# KiCad board Kanagawa.kicad_pcb (continued)
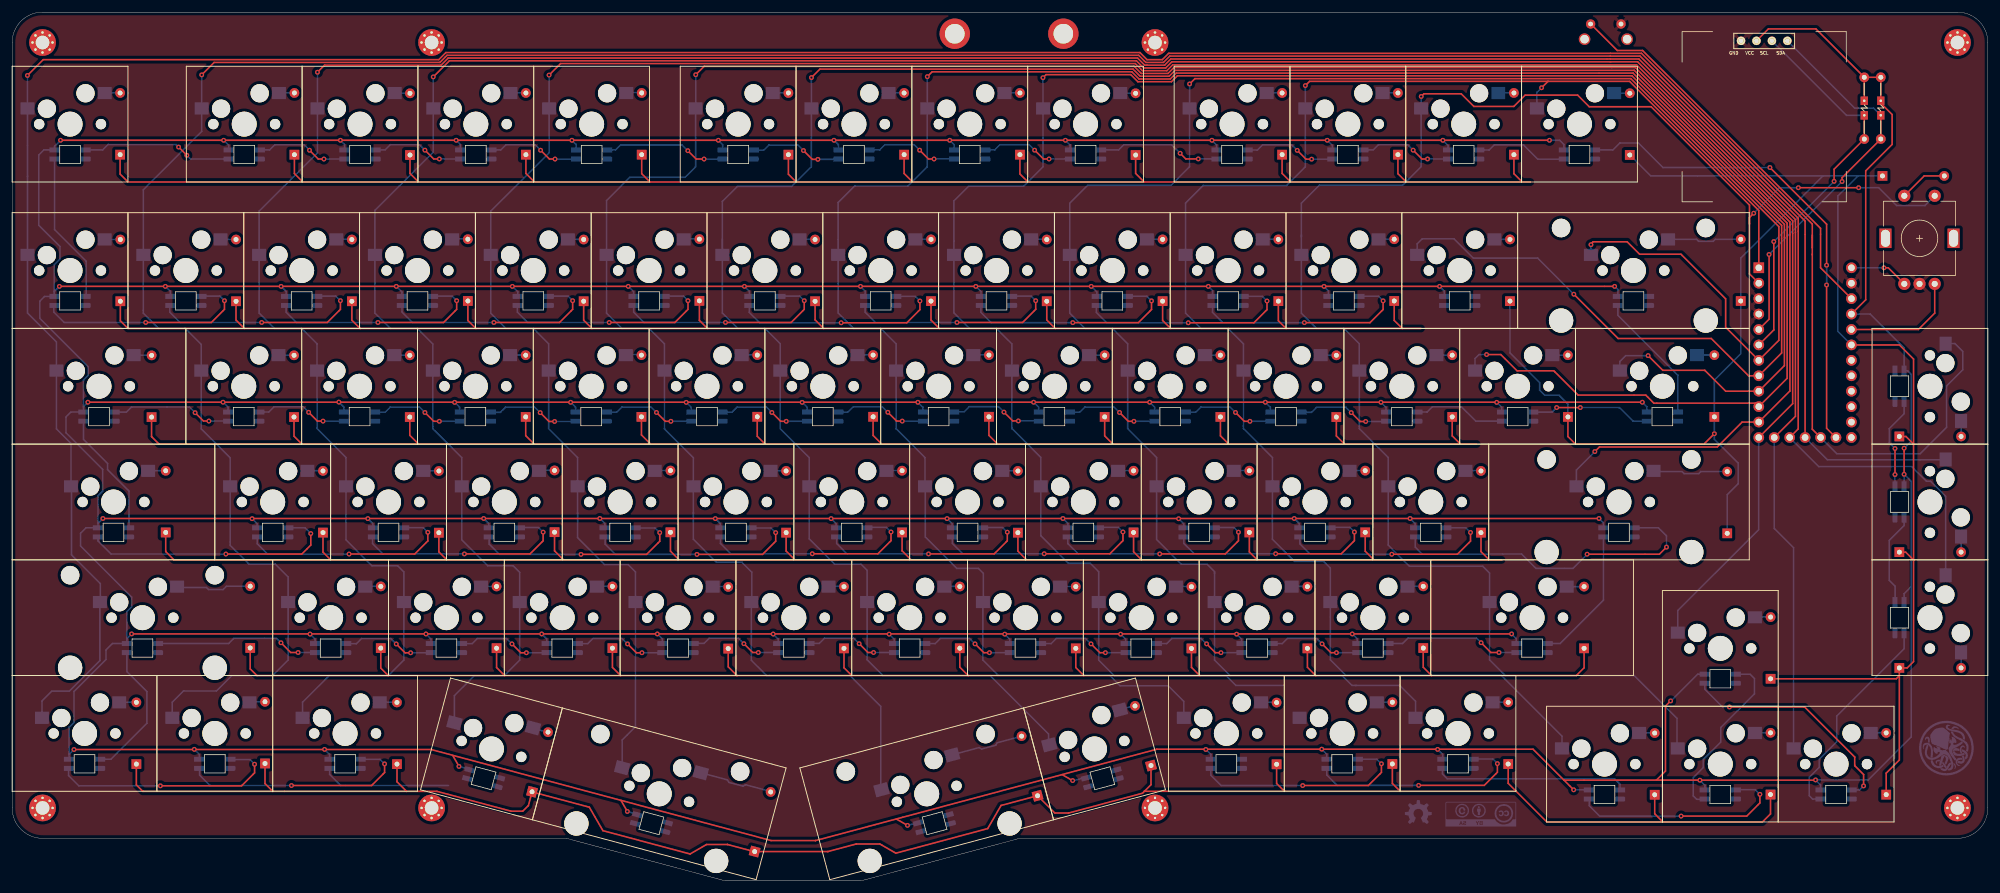
[diagram p0: board, top side]
## Routing (per net, layer and track width the routed paths; a pad name or vN(x,y) marks a point on that pad's centre or on a via; arc(x,y) is an arc through that point) (continued)
ENCA: length 9.8
  Top w0.254: 311.28,98.26 308.62,100.92 v1(307.91,100.92)
  Bottom w0.254: v1(307.91,100.92) 302.56,100.92 U0.24
ENCB: length 19.6
  Top w0.254: SW99.B 316.26,93.45 313.57,90.76 U0.20
RESET: length 65.4
  Top w0.254: 259.68,141.05 264.04,136.69 268.2,136.69 297.48,107.41 297.48,100.92 U0.22
RGB: length 79.9
  Top w0.254: 300,72.97 298.48,74.5 v1(298.48,98.09) ; v1(289.15,117.42) 298.48,108.1 v1(298.48,101.34)
  Bottom w0.254: KA12.5 263.32,120.32 264.46,121.46 267.51,121.46 271.55,117.42 v1(289.15,117.42) ; v1(298.48,101.34) v1(298.48,98.09)
row00: length 291.4
  Top w0.254: DA3.1 84.51,116.45 85.92,115.04 ; 167.1,115.04 186.22,115.04 ; 167.1,115.04 165.78,116.36 DA7.1 ; 167.1,115.04 148.13,115.04 ; 186.22,115.04 210.32,115.04 ; 186.22,115.04 184.81,116.45 DA8.1 ; 66.85,115.04 65.44,116.45 DA2.1 ; 66.85,115.04 47.82,115.04 ; 66.85,115.04 85.92,115.04 ; 47.82,115.04 19.06,115.04 17.76,116.34 DA0.1 ; 47.82,115.04 46.43,116.43 DA1.1 ; 210.32,115.04 208.91,116.45 DA9.1 ; 210.32,115.04 229.33,115.04 ; DA4.1 103.56,116.41 104.93,115.04 ; 85.92,115.04 104.93,115.04 ; 229.33,115.04 248.41,115.04 ; 229.33,115.04 227.96,116.41 DA10.1 ; 248.41,115.04 247.04,116.41 DA11.1 ; 248.41,115.04 249.74,115.04 ; 128.97,115.04 148.13,115.04 ; 128.97,115.04 127.69,116.32 DA5.1 ; 128.97,115.04 104.93,115.04 ; 148.13,115.04 146.73,116.44 DA6.1
row01: length 273.4
  Top w0.254: 190.57,90.93 209.56,90.93 ; 190.57,90.93 189.25,92.25 DB9.1 ; 190.57,90.93 171.59,90.93 ; 209.56,90.93 208.29,92.2 DB10.1 ; 209.56,90.93 228.67,90.93 ; 152.53,90.93 151.15,92.31 DB7.1 ; 152.53,90.93 133.5,90.93 ; 152.53,90.93 171.59,90.93 ; 228.67,90.93 231.75,90.93 ; 228.67,90.93 227.35,92.25 DB11.1 ; DB4.1 94.01,92.29 95.37,90.93 ; DB6.1 132.08,92.35 133.5,90.93 ; 114.38,90.93 113.05,92.26 DB5.1 ; 114.38,90.93 95.37,90.93 ; 114.38,90.93 133.5,90.93 ; 38.2,90.93 36.83,92.3 DB1.1 ; 38.2,90.93 19.05,90.93 17.8,92.18 DB0.1 ; 38.2,90.93 57.24,90.93 ; 76.28,90.93 74.96,92.25 DB3.1 ; 76.28,90.93 57.24,90.93 ; 76.28,90.93 95.37,90.93 ; 171.59,90.93 170.19,92.33 DB8.1 ; 57.24,90.93 55.88,92.29 DB2.1
row02: length 277.2
  Top w0.254: 123.85,71.9 143.05,71.9 ; 123.85,71.9 105.02,71.9 ; 123.85,71.9 122.57,73.18 DC5.1 ; 143.05,71.9 141.63,73.32 DC6.1 ; 143.05,71.9 162.11,71.9 ; 219.17,71.9 217.83,73.24 DC10.1 ; 219.17,71.9 238.24,71.9 ; 219.17,71.9 200.12,71.9 ; 22.93,76.34 22.93,73.13 24.16,71.9 47.66,71.9 ; DC4.1 103.52,73.4 105.02,71.9 ; 238.24,71.9 240.9,71.9 ; 238.24,71.9 236.89,73.25 DC11.1 ; 47.66,71.9 66.85,71.9 ; 47.66,71.9 46.37,73.19 DC1.1 ; 85.87,71.9 105.02,71.9 ; 85.87,71.9 84.48,73.29 DC3.1 ; 85.87,71.9 66.85,71.9 ; 162.11,71.9 160.68,73.33 DC7.1 ; 162.11,71.9 181.07,71.9 ; DC9.1 198.76,73.26 200.12,71.9 ; DC8.1 179.72,73.25 181.07,71.9 ; 181.07,71.9 200.12,71.9 ; DC2.1 65.41,73.34 66.85,71.9
row03: length 279.5
  Top w0.254: 52.41,52.83 71.52,52.83 ; 52.41,52.83 51.13,54.11 DD1.1 ; 52.41,52.83 26.63,52.83 25.26,54.2 25.26,57.35 ; 71.52,52.83 70.19,54.16 DD2.1 ; 71.52,52.83 90.71,52.83 ; 242.99,52.83 245,52.83 ; 242.99,52.83 224.01,52.83 ; 242.99,52.83 241.62,54.2 DD11.1 ; 128.78,52.83 147.89,52.83 ; 128.78,52.83 127.32,54.29 DD5.1 ; 128.78,52.83 109.73,52.83 ; 147.89,52.83 166.89,52.83 ; 147.89,52.83 146.39,54.33 DD6.1 ; 90.71,52.83 89.22,54.32 DD3.1 ; 90.71,52.83 109.73,52.83 ; 185.81,52.83 184.47,54.17 DD8.1 ; 185.81,52.83 166.89,52.83 ; 185.81,52.83 204.83,52.83 ; 166.89,52.83 165.44,54.28 DD7.1 ; 109.73,52.83 108.29,54.27 DD4.1 ; 224.01,52.83 222.58,54.26 DD10.1 ; 224.01,52.83 204.83,52.83 ; DD9.1 203.52,54.14 204.83,52.83
row04: length 277.6
  Top w0.254: 100.09,33.79 119.23,33.79 ; 100.09,33.79 98.75,35.13 DE3.1 ; 100.09,33.79 81.01,33.79 ; 119.23,33.79 138.12,33.79 ; 119.23,33.79 117.8,35.22 DE4.1 ; 214.43,33.79 233.49,33.79 ; 214.43,33.79 213.07,35.15 DE9.1 ; 214.43,33.79 195.35,33.79 ; 233.49,33.79 257.3,33.79 258.58,35.07 DE11.1 ; 233.49,33.79 232.13,35.15 DE10.1 ; DE0.1 39.16,34.89 40.26,33.79 61.87,33.79 ; 61.87,33.79 81.01,33.79 ; 61.87,33.79 60.64,35.02 DE1.1 ; 81.01,33.79 79.69,35.11 DE2.1 ; DE8.1 194,35.14 195.35,33.79 ; 176.29,33.79 195.35,33.79 ; 176.29,33.79 157.27,33.79 ; 176.29,33.79 174.97,35.11 DE7.1 ; 138.12,33.79 136.84,35.07 DE5.1 ; 138.12,33.79 157.27,33.79 ; DE6.1 155.89,35.17 157.27,33.79
row05: length 325.2
  Top w0.254: 162.67,12.41 160.47,8.6 ; 145.36,4.56 142.73,6.07 138.86,6.07 138.86,6.07 134.19,4.83 134.19,4.82 DF4.1 ; 145.36,4.55 160.47,8.6 ; 168.72,14.03 162.66,12.41 ; 85.55,14.64 94.95,12.12 ; 209.29,14.74 228.34,14.74 ; 209.29,14.74 186.25,14.74 186.25,14.73 ; 209.29,14.74 208,16.03 DF7.1 ; 228.34,14.74 247.41,14.74 ; 228.34,14.74 227.05,16.03 DF8.1 ; 85.53,14.66 84.92,12.38 84.9,12.38 83.99,11.47 82.05,11.47 69.87,14.73 ; 42.88,14.73 41.6,16.01 DF1.1 ; 42.88,14.73 21.5,14.73 20.43,15.8 20.43,19.22 ; 42.88,14.73 64.89,14.73 ; 247.41,14.74 246.1,16.05 DF9.1 ; 247.41,14.74 252.48,9.67 271.57,9.67 ; 271.57,9.67 270.2,11.04 DF10.1 ; 271.57,9.67 287.9,9.67 289.25,11.02 289.25,14.2 ; 186.25,14.73 185.93,14.42 173.75,11.16 171.53,11.16 DF5.1 ; 186.25,14.73 187.34,15.83 DF6.1 ; 64.89,14.73 63.3,16.32 DF2.1 ; 64.89,14.73 69.87,14.73 ; 117.68,5.98 114.18,5.98 ; 94.95,12.12 97.18,8.26 ; 114.21,5.98 111.53,4.43 ; 117.65,5.97 117.67,5.99 122.15,4.79 ; 97.18,8.26 111.55,4.41
row06: length 307.3
  Top w0.254: 312.78,71.9 311.53,73.15 DD13.1 ; 312.78,71.9 312.78,85.89 310.45,88.22 302.56,88.22 ; 312.78,71.9 312.78,52.81 ; DE13.1 311.48,54.11 312.78,52.81 ; 310.44,33.77 309.93,33.26 DE12.1 ; 310.44,33.77 DF13.1 311.73,35.05 312.78,36.1 312.78,52.81 ; 310.44,33.77 310.44,19.89 308.28,17.73 308.28,14.19 ; DC12.1 255.92,73.14 257.18,71.88 278.29,71.88 v1(280.01,73.6)
  Bottom w0.254: 297.87,116.04 269.55,116.04 DA12.1 ; 297.87,116.04 303.62,116.04 ; 297.87,116.04 284.35,102.52 DB13.1 ; 303.62,116.04 DA13.1 ; 303.62,116.04 300.34,112.76 300.34,90.44 U0.19 ; DC12.1 255.92,78.47 254.45,79.94 252.09,79.94 251.26,80.77 251.26,82.04 246.39,86.91 DB12.1 ; DD12.1 282.13,63.57 283.93,65.37 283.93,68.77 280.01,72.69 v1(280.01,73.6) DC13.1 280.01,82.45 284.35,86.79 284.35,95.45
SCL: length 65.3
  Top w0.254: R2.1 299.71,117.15 v1(299.71,115.15) ; v1(289.79,105.23) 289.79,90.69 U0.6 ; R2.1 304.67,122.1
  Bottom w0.254: v1(299.71,115.15) 299.71,115.15 v1(289.79,105.23) ; R2.1 301.75,126.01 J1.3
SDA: length 64.1
  Top w0.254: R1.1 301.02,115.75 v1(301.02,115.12) ; U0.5 289.01,92.45 v1(289.01,103.11) ; R1.1 307.39,122.08
  Bottom w0.254: v1(301.02,115.12) v1(289.01,103.11) ; J1.4 303.09,127.21 306.2,127.21 R1.1
Net-(DA0-Pad2): length 3
  Bottom w0.254: 18.36,129.69 18.35,129.7 15.36,129.7
Net-(DA1-Pad2): length 3
  Bottom w0.254: 43.96,129.71 46.95,129.71
Net-(DA2-Pad2): length 3
  Bottom w0.254: 63.01,129.68 66,129.68
Net-(DA3-Pad2): length 3
  Bottom w0.254: 82.01,129.71 85,129.71
Net-(DA4-Pad2): length 3
  Bottom w0.254: 101.04,129.77 104.03,129.77
Net-(DA5-Pad2): length 3
  Bottom w0.254: 124.85,129.7 127.84,129.7
Net-(DA6-Pad2): length 3
  Bottom w0.254: 143.86,129.72 146.85,129.72
Net-(DA7-Pad2): length 3
  Bottom w0.254: 162.91,129.72 165.9,129.72
Net-(DA8-Pad2): length 3
  Bottom w0.254: 182.06,129.66 185.05,129.66
Net-(DA9-Pad2): length 3
  Bottom w0.254: 205.84,129.7 208.83,129.7
Net-(DA10-Pad2): length 3
  Bottom w0.254: 224.74,129.72 227.73,129.72
Net-(DA11-Pad2): length 3
  Bottom w0.254: 243.92,129.72 246.91,129.72
Net-(DA12-Pad2): length 3
  Bottom w0.254: 263,129.66 265.99,129.66
Net-(DB0-Pad2): length 2.6
  Bottom w0.254: KB0.2 17.78,105.59
Net-(DB1-Pad2): length 3
  Bottom w0.254: 34.1,105.58 37.09,105.58
Net-(DB2-Pad2): length 3
  Bottom w0.254: 53.24,105.61 56.23,105.61
Net-(DB3-Pad2): length 3
  Bottom w0.254: 72.27,105.68 75.26,105.68
Net-(DB4-Pad2): length 3
  Bottom w0.254: 91.31,105.59 94.3,105.59
Net-(DB5-Pad2): length 3
  Bottom w0.254: 110.37,105.66 113.36,105.66
Net-(DB6-Pad2): length 3
  Bottom w0.254: 129.41,105.61 132.4,105.61
Net-(DB7-Pad2): length 3
  Bottom w0.254: 148.52,105.61 151.51,105.61
Net-(DB8-Pad2): length 3
  Bottom w0.254: 167.49,105.63 170.48,105.63
Net-(DB9-Pad2): length 3
  Bottom w0.254: 186.6,105.61 189.59,105.61
Net-(DB10-Pad2): length 3
  Bottom w0.254: 205.66,105.61 208.65,105.61
Net-(DB11-Pad2): length 3
  Bottom w0.254: 224.66,105.64 227.65,105.64
Net-(DB12-Pad2): length 3
  Bottom w0.254: 243.79,105.59 246.78,105.59
Net-(DB13-Pad2): length 12.1
  Bottom w0.254: 272.41,105.61 277.08,105.61 277.42,105.27 279.82,105.27 280.16,105.61 284.22,105.61
Net-(DC0-Pad2): length 3
  Bottom w0.254: 19.93,86.52 22.92,86.52
Net-(DC1-Pad2): length 3
  Bottom w0.254: 43.68,86.54 46.67,86.54
Net-(DC2-Pad2): length 3
  Bottom w0.254: 62.7,86.53 65.69,86.53
Net-(DC3-Pad2): length 3
  Bottom w0.254: 81.86,86.56 84.85,86.56
Net-(DC4-Pad2): length 3
  Bottom w0.254: 101.01,86.64 104,86.64
Net-(DC5-Pad2): length 3
  Bottom w0.254: 120.05,86.57 123.04,86.57
Net-(DC6-Pad2): length 3
  Bottom w0.254: 139.08,86.57 142.07,86.57
Net-(DC7-Pad2): length 3
  Bottom w0.254: 158,86.57 160.99,86.57
Net-(DC8-Pad2): length 3
  Bottom w0.254: 177.05,86.54 180.04,86.54
Net-(DC9-Pad2): length 3
  Bottom w0.254: 196.14,86.52 199.13,86.52
Net-(DC10-Pad2): length 3
  Bottom w0.254: 215.18,86.55 218.17,86.55
Net-(DC11-Pad2): length 3
  Bottom w0.254: 234.25,86.54 237.24,86.54
Net-(DC12-Pad2): length 3
  Bottom w0.254: 253.29,86.54 256.28,86.54
Net-(DC13-Pad2): length 3
  Bottom w0.254: 277.02,86.56 280.01,86.56
Net-(DD0-Pad2): length 3
  Bottom w0.254: 22.26,67.52 25.25,67.52
Net-(DD1-Pad2): length 3
  Bottom w0.254: 48.34,67.52 51.33,67.52
Net-(DD2-Pad2): length 3
  Bottom w0.254: 67.44,67.48 70.43,67.48
Net-(DD3-Pad2): length 3
  Bottom w0.254: 86.5,67.59 89.49,67.59
Net-(DD4-Pad2): length 3
  Bottom w0.254: 105.52,67.55 108.51,67.55
Net-(DD5-Pad2): length 3
  Bottom w0.254: 124.55,67.5 127.54,67.5
Net-(DD6-Pad2): length 3
  Bottom w0.254: 143.6,67.55 146.59,67.55
Net-(DD7-Pad2): length 3
  Bottom w0.254: 162.62,67.51 165.61,67.51
Net-(DD8-Pad2): length 3
  Bottom w0.254: 181.65,67.54 184.64,67.54
Net-(DD9-Pad2): length 3
  Bottom w0.254: 200.73,67.54 203.72,67.54
Net-(DD10-Pad2): length 3
  Bottom w0.254: 219.77,67.55 222.76,67.55
Net-(DD11-Pad2): length 3
  Bottom w0.254: 238.92,67.54 241.91,67.54
Net-(DD12-Pad2): length 12.4
  Bottom w0.254: 270.03,67.37 274.69,67.37 ; 274.7,67.37 275.04,67.03 277.44,67.03 277.78,67.37 277.78,67.37 DD12.2
Net-(DD13-Pad2): length 2.6
  Bottom w0.254: DD13.2 320.6,75.74
Net-(DE0-Pad2): length 12.2
  Bottom w0.254: DE0.2 35.26,48.5 34.71,47.95 32.31,47.95 31.97,48.29 ; 27.3,48.29 31.96,48.29
Net-(DE1-Pad2): length 3
  Bottom w0.254: 57.85,48.49 60.84,48.49
Net-(DE2-Pad2): length 3
  Bottom w0.254: 76.89,48.46 79.88,48.46
Net-(DE3-Pad2): length 3
  Bottom w0.254: 95.97,48.5 98.96,48.5
Net-(DE4-Pad2): length 3
  Bottom w0.254: 115.02,48.44 118.01,48.44
Net-(DE5-Pad2): length 3
  Bottom w0.254: 134.07,48.49 137.06,48.49
Net-(DE6-Pad2): length 3
  Bottom w0.254: 153.11,48.48 156.1,48.48
Net-(DE7-Pad2): length 3
  Bottom w0.254: 172.17,48.46 175.16,48.46
Net-(DE8-Pad2): length 3
  Bottom w0.254: 191.22,48.46 194.21,48.46
Net-(DE9-Pad2): length 3
  Bottom w0.254: 210.36,48.47 213.35,48.47
Net-(DE10-Pad2): length 3
  Bottom w0.254: 229.25,48.5 232.24,48.5
Net-(DE11-Pad2): length 2.9
  Bottom w0.254: KE11.2 258.59,48.44
Net-(DE12-Pad2): length 3
  Bottom w0.254: 286.5,43.44 289.49,43.44
Net-(DE13-Pad2): length 2.6
  Bottom w0.254: DE13.2 320.6,56.72
Net-(DF0-Pad2): length 3
  Bottom w0.254: 17.46,29.4 20.45,29.4
Net-(DF1-Pad2): length 3
  Bottom w0.254: 38.86,29.48 41.85,29.48
Net-(DF2-Pad2): length 3
  Bottom w0.254: 60.32,29.41 63.31,29.41
Net-(DF3-Pad2): length 3
  Bottom w0.254: 85.47,25.14 88.36,24.37
Net-(DF4-Pad2): length 12.1
  Bottom w0.254: 120.64,15.82 124.56,14.77 ; 117.66,16.62 117.9,16.2 120.22,15.58 120.64,15.82 ; 113.15,17.83 117.65,16.62
Net-(DF5-Pad2): length 12.1
  Bottom w0.254: 154.55,20.73 159.05,21.94 ; 159.06,21.94 159.48,21.7 161.8,22.32 162.04,22.74 165.96,23.79
Net-(DF6-Pad2): length 3
  Bottom w0.254: 182.15,28.18 185.04,28.95
Net-(DF7-Pad2): length 2.6
  Bottom w0.254: KF7.2 208,29.39
Net-(DF8-Pad2): length 3
  Bottom w0.254: 224.29,29.42 227.28,29.42
Net-(DF9-Pad2): length 3
  Bottom w0.254: 243.33,29.42 246.32,29.42
Net-(DF10-Pad2): length 3
  Bottom w0.254: 267.43,24.35 270.42,24.35
Net-(DF11-Pad2): length 3
  Bottom w0.254: 286.51,24.37 289.5,24.37
Net-(DF12-Pad2): length 3
  Bottom w0.254: 305.51,24.39 308.5,24.39
Net-(DF13-Pad2): length 2.6
  Bottom w0.254: DF13.2 320.6,37.68

## Copper pours and planes (outline as drawn; the poured copper is in the pictures)
GND on Top: 327,-3 -2,-3 -2,145 327,145
GND on Bottom: 327,-3 -2,-3 -2,145 327,145

## Text on the board
B.Silkscreen: Kanagawa by Ciaanh - rev1
